# Altium PCB NxtPX4.PcbDoc (part 5 of 6)
Units mm, origin at the board's own origin, x right, y up, seen from the top; angles counter-clockwise.
Board outline 33 x 27 mm, 4 copper layers (F.Cu, In1.Cu, In2.Cu, B.Cu); 137 components, 132 nets, 629 pads, 296 vias.
Unrouted connection lines stored in the file: 3.
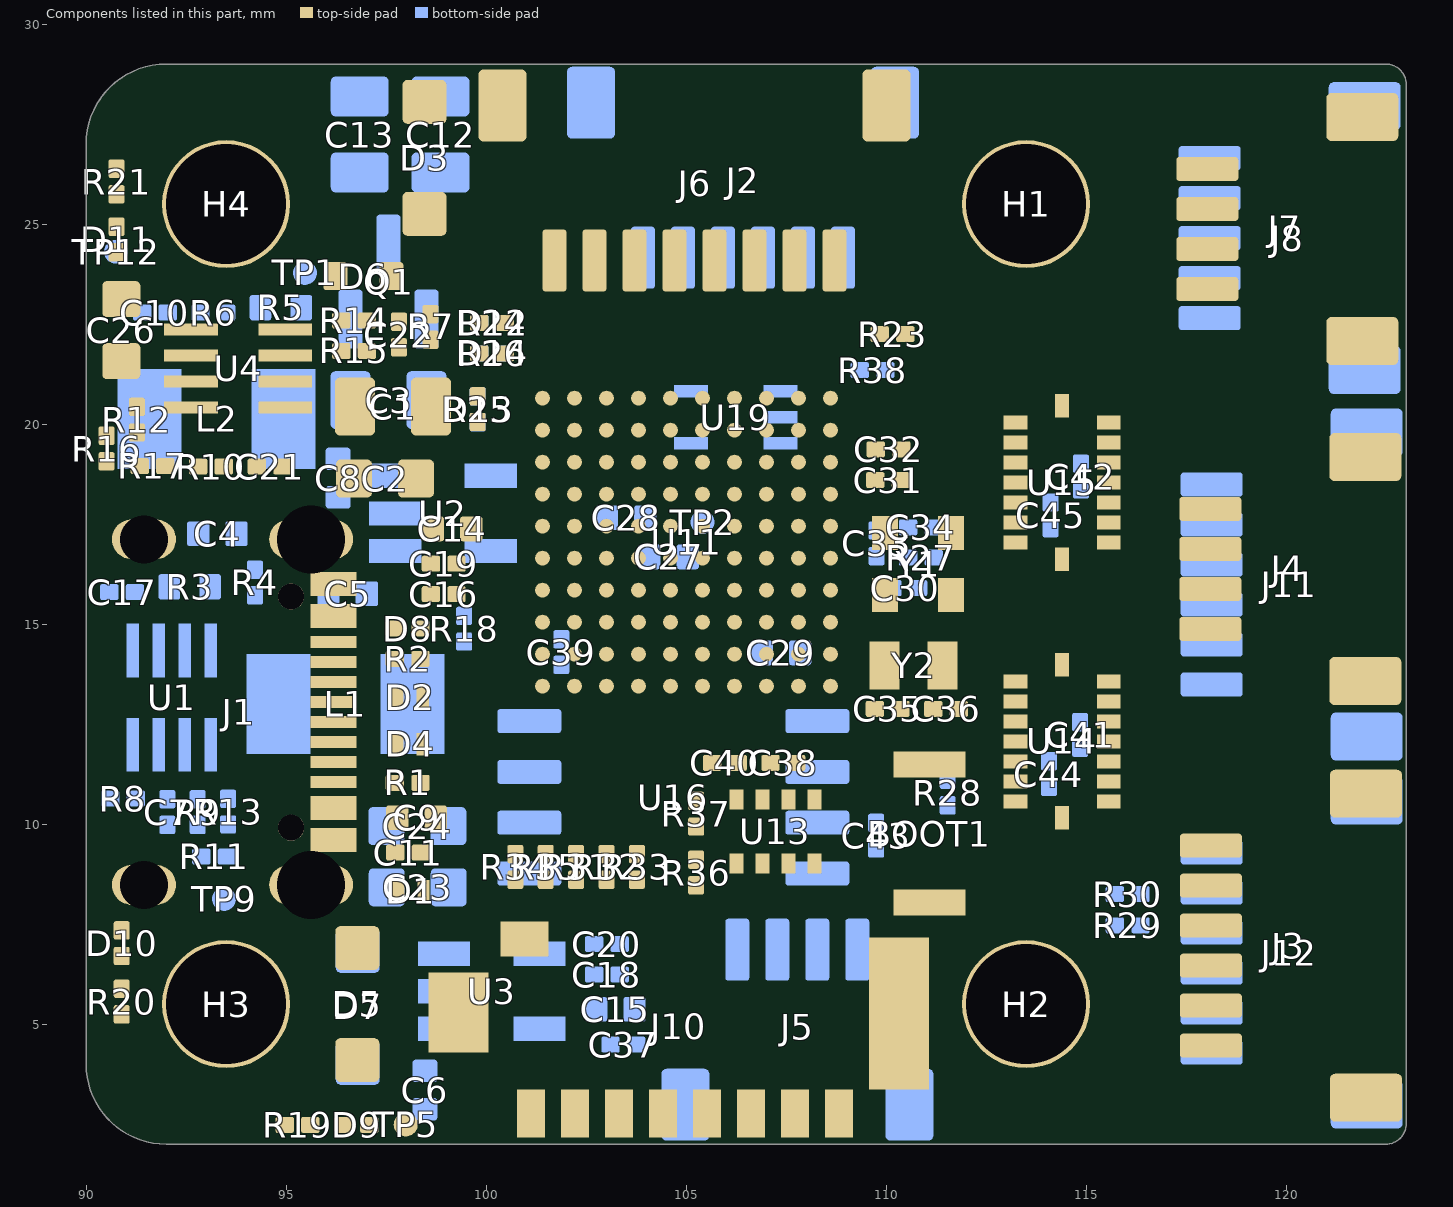
[diagram p7: the components of this part, seen from the top]

## Polygon pours and split planes (outlines as drawn) (continued)
BMI088_0_GDR on F.Cu "F.Cu-/BMI088_0_GDR-1" (solid, remove dead copper, pour order 30571): 107.958,19.278 107.915,19.247 107.876,19.24 107.838,19.243 107.794,19.245 107.739,19.231 107.809,19.059 107.981,18.989 107.995,19.044 107.993,19.088 107.99,19.126 107.997,19.165 108.028,19.208
Core_3V3 on F.Cu "F.Cu-Core_3V3-13" (solid, remove dead copper, pour order 30437): 104.05,9.45 104.022,9.45 103.994,9.454 103.965,9.46 103.937,9.47 103.909,9.482 103.769,9.26 103.958,9.085 103.976,9.104 103.995,9.12 104.013,9.133 104.032,9.143 104.05,9.15
USB_OTG_FS_DP on F.Cu "F.Cu-/USB_OTG_FS_DP-4" (solid, remove dead copper, pour order 30351): 96.825,12.16 96.813,12.165 96.801,12.173 96.789,12.183 96.777,12.195 96.765,12.21 96.189,12.06 96.765,11.91 96.777,11.925 96.789,11.937 96.801,11.947 96.813,11.955 96.825,11.96
VBUS on F.Cu "F.Cu-/VBUS-2" (solid, remove dead copper, pour order 30335): 97.425,10.19 97.44,10.162 97.455,10.132 97.47,10.1 97.485,10.067 97.5,10.032 97.781,10.17 97.836,10.48 97.753,10.518 97.671,10.559 97.589,10.601 97.507,10.644 97.425,10.69
System_5V on F.Cu "F.Cu-System_5V-4" (solid, remove dead copper, pour order 30401): 120.443,16.06 120.383,16.062 120.34,16.065 120.303,16.07 120.26,16.073 120.2,16.075 120.199,15.9 120.2,15.725 120.261,15.729 120.303,15.737 120.34,15.748 120.382,15.756 120.443,15.76
Net-(U4-FB) on F.Cu "F.Cu-Net-(U4-FB)" (solid, remove dead copper, pour order 30345): 91.403,20.785 91.366,20.756 91.329,20.73 91.292,20.707 91.254,20.687 91.217,20.67 91.269,20.439 91.47,20.357 91.499,20.406 91.528,20.453 91.557,20.496 91.586,20.536 91.615,20.573
EX_SPI3_SCK on F.Cu "F.Cu-/EX_SPI3_SCK" (solid, remove dead copper, pour order 30557): 103.86,13.201 103.868,13.254 103.89,13.286 103.92,13.311 103.952,13.341 103.981,13.389 103.81,13.461 103.639,13.389 103.668,13.341 103.7,13.311 103.73,13.286 103.752,13.254 103.76,13.201
TIM1_CH1 on F.Cu "F.Cu-/TIM1_CH1" (solid, remove dead copper, pour order 30543): 105.36,20.919 105.352,20.866 105.33,20.834 105.3,20.809 105.268,20.779 105.239,20.731 105.41,20.659 105.581,20.731 105.552,20.779 105.52,20.809 105.49,20.834 105.468,20.866 105.46,20.919
BMI088_1_MISO on F.Cu "F.Cu-/BMI088_1_MISO-2" (solid, remove dead copper, pour order 30642): 112.805,13.62 112.771,13.624 112.748,13.635 112.731,13.651 112.71,13.668 112.678,13.685 112.629,13.57 112.678,13.455 112.71,13.472 112.731,13.489 112.748,13.505 112.771,13.516 112.805,13.52
SDMMC1_CK on F.Cu "F.Cu-/SDMMC1_CK" (solid, remove dead copper, pour order 30604): 103.233,14.918 103.201,14.96 103.193,14.997 103.195,15.035 103.195,15.077 103.181,15.131 103.009,15.061 103.01,14.875 103.05,14.877 103.081,14.881 103.107,14.881 103.132,14.871 103.162,14.847
BMI088_1_MOSI on F.Cu "F.Cu-/BMI088_1_MOSI-1" (solid, remove dead copper, pour order 30602): 113.285,10.335 113.31,10.358 113.335,10.376 113.36,10.39 113.385,10.4 113.41,10.405 113.235,10.581 113.06,10.405 113.085,10.4 113.11,10.39 113.135,10.376 113.16,10.358 113.185,10.335
SDMMC1_CMD on F.Cu "F.Cu-/SDMMC1_CMD-2" (solid, remove dead copper, pour order 30644): 103.95,11.545 103.954,11.579 103.965,11.602 103.981,11.619 103.998,11.64 104.015,11.672 103.9,11.721 103.785,11.672 103.802,11.64 103.819,11.619 103.835,11.602 103.846,11.579 103.85,11.545
NRST on F.Cu "F.Cu-/NRST" (solid, remove dead copper, pour order 30559): 108.869,16.71 108.816,16.718 108.784,16.74 108.759,16.77 108.729,16.802 108.681,16.831 108.609,16.66 108.681,16.489 108.729,16.518 108.759,16.55 108.784,16.58 108.816,16.602 108.869,16.61
SDMMC1_D0 on F.Cu "F.Cu-/SDMMC1_D0-2" (solid, remove dead copper, pour order 30670): 99.922,13.711 99.949,13.732 99.972,13.74 99.996,13.742 100.023,13.744 100.058,13.755 100.011,13.871 99.895,13.918 99.884,13.883 99.882,13.856 99.88,13.832 99.872,13.809 99.851,13.782
SWDIO on F.Cu "F.Cu-/SWDIO-2" (solid, remove dead copper, pour order 30640): 118.19,13.325 118.194,13.359 118.205,13.382 118.221,13.399 118.238,13.42 118.255,13.452 118.14,13.501 118.025,13.452 118.042,13.42 118.059,13.399 118.075,13.382 118.086,13.359 118.09,13.325
BMI088_0_MISO on F.Cu "F.Cu-/BMI088_0_MISO-1" (solid, remove dead copper, pour order 30646): 112.51,18.035 112.514,18.069 112.525,18.092 112.541,18.109 112.558,18.13 112.575,18.162 112.46,18.211 112.345,18.162 112.362,18.13 112.379,18.109 112.395,18.092 112.406,18.069 112.41,18.035
System_5V on F.Cu "F.Cu-System_5V-3" (solid, remove dead copper, pour order 30397): 119.957,15.76 120.018,15.756 120.06,15.748 120.097,15.737 120.139,15.729 120.2,15.725 120.201,15.9 120.2,16.075 120.14,16.073 120.097,16.07 120.06,16.065 120.017,16.062 119.957,16.06
SCLK on F.Cu "F.Cu-/SCLK-1" (solid, remove dead copper, pour order 30617): 102.316,12.045 102.311,12.011 102.3,11.988 102.285,11.971 102.267,11.95 102.25,11.918 102.366,11.869 102.481,11.918 102.464,11.95 102.446,11.971 102.431,11.988 102.42,12.011 102.416,12.045
Net-(U11A-PC15-OSC32_OUT) on F.Cu "F.Cu-Net-(U11A-PC15-OSC32_OUT)-1" (solid, remove dead copper, pour order 30273): 111.88,13.257 111.862,13.382 111.844,13.528 111.826,13.693 111.808,13.877 111.79,14.081 111.415,13.981 111.327,13.38 111.418,13.383 111.508,13.373 111.599,13.348 111.689,13.309 111.78,13.257
ADC1_INP4_BATT_V on F.Cu "F.Cu-/ADC1_INP4_BATT_V-3" (solid, remove dead copper, pour order 30523): 97.33,22.65 97.308,22.664 97.286,22.684 97.264,22.708 97.243,22.737 97.221,22.771 97.019,22.6 97.221,22.429 97.243,22.463 97.264,22.492 97.286,22.516 97.308,22.536 97.33,22.55
SWDIO on F.Cu "F.Cu-/SWDIO-1" (solid, remove dead copper, pour order 30565): 101.46,13.201 101.468,13.254 101.49,13.286 101.52,13.311 101.552,13.341 101.581,13.389 101.41,13.461 101.239,13.389 101.268,13.341 101.3,13.311 101.33,13.286 101.352,13.254 101.36,13.201
Core_3V3 on F.Cu "F.Cu-Core_3V3-12" (solid, remove dead copper, pour order 30429): 115.2,12.43 115.214,12.428 115.228,12.425 115.242,12.42 115.256,12.413 115.27,12.405 115.566,12.58 115.27,12.755 115.256,12.747 115.242,12.741 115.228,12.735 115.214,12.732 115.2,12.73
VBUS on F.Cu "F.Cu-/VBUS-1" (solid, remove dead copper, pour order 30270): 97.236,7.719 97.099,7.631 96.962,7.561 96.826,7.51 96.689,7.476 96.552,7.46 96.779,6.909 97.33,6.682 97.382,6.855 97.434,7.01 97.485,7.146 97.537,7.265 97.589,7.366
USART3_RX on F.Cu "F.Cu-/USART3_RX" (solid, remove dead copper, pour order 30662): 102.882,21.491 102.909,21.512 102.932,21.52 102.956,21.522 102.983,21.524 103.018,21.535 102.971,21.651 102.855,21.698 102.844,21.663 102.842,21.636 102.84,21.612 102.832,21.589 102.811,21.562
SDMMC1_CMD on F.Cu "F.Cu-/SDMMC1_CMD-1" (solid, remove dead copper, pour order 30594): 104.028,14.112 103.997,14.155 103.99,14.194 103.993,14.232 103.995,14.276 103.981,14.331 103.809,14.261 103.739,14.089 103.794,14.075 103.838,14.077 103.876,14.08 103.915,14.073 103.958,14.042
Core_3V3 on F.Cu "F.Cu-Core_3V3-11" (solid, remove dead copper, pour order 30608): 107.616,14.313 107.645,14.28 107.662,14.254 107.675,14.23 107.693,14.204 107.722,14.172 107.811,14.259 107.898,14.348 107.866,14.377 107.84,14.395 107.816,14.408 107.79,14.425 107.757,14.454
Core_3V3 on F.Cu "F.Cu-Core_3V3-10" (solid, remove dead copper, pour order 30371): 107.601,11.219 107.649,11.255 107.697,11.286 107.745,11.31 107.793,11.328 107.84,11.34 107.751,11.541 107.52,11.581 107.508,11.525 107.496,11.475 107.484,11.431 107.471,11.393 107.459,11.361
Net-(U11B-PH0-OSC_IN) on F.Cu "F.Cu-Net-(U11B-PH0-OSC_IN)" (solid, remove dead copper, pour order 30588): 108.758,15.278 108.715,15.247 108.676,15.24 108.638,15.243 108.594,15.245 108.539,15.231 108.609,15.059 108.781,14.989 108.795,15.044 108.793,15.088 108.79,15.126 108.797,15.165 108.828,15.208
VBUS on F.Cu "F.Cu-/VBUS" (solid, remove dead copper, pour order 30337): 98.03,9.748 98.036,9.802 98.042,9.854 98.048,9.905 98.054,9.953 98.06,10 97.78,10.171 97.5,10 97.506,9.953 97.512,9.905 97.518,9.854 97.524,9.802 97.53,9.748
Net-(U1-EN{slash}SYNC) on F.Cu "F.Cu-Net-(U1-EN{slash}SYNC)-1" (solid, remove dead copper, pour order 30379): 91.569,10.968 91.63,10.965 91.673,10.959 91.71,10.952 91.753,10.945 91.814,10.943 91.815,11.118 91.814,11.293 91.753,11.29 91.71,11.284 91.673,11.277 91.63,11.27 91.569,11.268
BMI088_1_MISO on F.Cu "F.Cu-/BMI088_1_MISO-1" (solid, remove dead copper, pour order 30673): 112.814,11.142 112.793,11.169 112.785,11.192 112.783,11.216 112.781,11.243 112.77,11.278 112.654,11.231 112.607,11.115 112.642,11.104 112.669,11.102 112.693,11.1 112.716,11.092 112.743,11.071
UART5_TX on F.Cu "F.Cu-/UART5_TX" (solid, remove dead copper, pour order 30647): 103.395,21.425 103.399,21.459 103.41,21.482 103.426,21.499 103.443,21.52 103.46,21.552 103.345,21.601 103.23,21.552 103.247,21.52 103.264,21.499 103.28,21.482 103.291,21.459 103.295,21.425
Core_3V3 on F.Cu "F.Cu-Core_3V3-9" (solid, remove dead copper, pour order 30441): 109.88,19.1 109.891,19.127 109.902,19.151 109.912,19.172 109.923,19.19 109.934,19.205 109.74,19.381 109.534,19.217 109.543,19.2 109.552,19.179 109.562,19.156 109.571,19.129 109.58,19.1
USB_OTG_FS_DP on F.Cu "F.Cu-/USB_OTG_FS_DP-3" (solid, remove dead copper, pour order 30553): 101.192,14.408 101.223,14.365 101.23,14.326 101.227,14.288 101.225,14.244 101.239,14.189 101.411,14.259 101.481,14.431 101.426,14.445 101.382,14.443 101.344,14.44 101.305,14.447 101.262,14.478
TIM1_CH4 on F.Cu "F.Cu-/TIM1_CH4" (solid, remove dead copper, pour order 30318): 103.76,23.205 103.801,23.254 103.842,23.294 103.884,23.327 103.925,23.352 103.966,23.369 103.71,24.101 103.454,23.369 103.495,23.352 103.536,23.327 103.578,23.294 103.619,23.254 103.66,23.205
System_5V on F.Cu "F.Cu-System_5V-2" (solid, remove dead copper, pour order 30375): 120.835,15.76 120.896,15.757 120.939,15.751 120.976,15.744 121.019,15.738 121.08,15.735 121.081,15.91 121.08,16.085 121.019,16.082 120.976,16.076 120.939,16.069 120.896,16.063 120.835,16.06
USB_OTG_FS_DM on F.Cu "F.Cu-/USB_OTG_FS_DM-1" (solid, remove dead copper, pour order 30611): 97.569,13.05 97.581,13.045 97.594,13.039 97.606,13.03 97.618,13.018 97.63,13.005 97.784,13.18 97.63,13.312 97.618,13.295 97.606,13.28 97.594,13.267 97.581,13.257 97.569,13.25
ADC1_INP4_BATT_V on F.Cu "F.Cu-/ADC1_INP4_BATT_V-2" (solid, remove dead copper, pour order 30551): 105.992,18.408 106.023,18.365 106.03,18.326 106.027,18.288 106.025,18.244 106.039,18.189 106.211,18.259 106.281,18.431 106.226,18.445 106.182,18.443 106.144,18.44 106.105,18.447 106.062,18.478
BMI088_1_GCS on F.Cu "F.Cu-/BMI088_1_GCS" (solid, remove dead copper, pour order 30487): 115.93,11.63 115.916,11.646 115.902,11.667 115.888,11.692 115.874,11.721 115.86,11.755 115.564,11.58 115.86,11.405 115.874,11.439 115.888,11.468 115.902,11.493 115.916,11.514 115.93,11.53
Baro_I2C1_SCL on F.Cu "F.Cu-/Baro_I2C1_SCL" (solid, remove dead copper, pour order 30600): 106.01,8.98 106.024,8.964 106.038,8.943 106.052,8.918 106.066,8.889 106.08,8.855 106.256,9.03 106.08,9.205 106.066,9.171 106.052,9.142 106.038,9.117 106.024,9.096 106.01,9.08
LED_BLUE on F.Cu "F.Cu-/LED_BLUE-1" (solid, remove dead copper, pour order 30527): 99.84,19.753 99.864,19.784 99.888,19.811 99.912,19.833 99.937,19.85 99.961,19.862 99.79,20.064 99.619,19.862 99.643,19.85 99.668,19.833 99.692,19.811 99.716,19.784 99.74,19.753
System_5V on F.Cu "F.Cu-System_5V-1" (solid, remove dead copper, pour order 30282): 119,16.06 118.957,16.069 118.915,16.086 118.872,16.109 118.83,16.14 118.787,16.179 118.104,15.89 118.836,15.634 118.869,15.672 118.902,15.703 118.934,15.728 118.967,15.747 119,15.76
SDMMC1_D1 on F.Cu "F.Cu-/SDMMC1_D1-1" (solid, remove dead copper, pour order 30415): 101.215,8.824 101.23,8.784 101.245,8.736 101.26,8.679 101.275,8.612 101.29,8.537 101.491,8.619 101.543,8.85 101.491,8.843 101.44,8.844 101.389,8.853 101.337,8.87 101.286,8.895
BMI088_0_GCS on F.Cu "F.Cu-/BMI088_0_GCS-1" (solid, remove dead copper, pour order 30582): 107.958,20.878 107.915,20.847 107.876,20.84 107.838,20.843 107.794,20.845 107.739,20.831 107.809,20.659 107.981,20.589 107.995,20.644 107.993,20.688 107.99,20.726 107.997,20.765 108.028,20.808
Net-(R12-Pad2) on F.Cu "F.Cu-Net-(R12-Pad2)-1" (solid, remove dead copper, pour order 30403): 90.79,19.95 90.749,19.944 90.709,19.941 90.668,19.941 90.627,19.944 90.586,19.95 90.509,19.72 90.706,19.568 90.723,19.59 90.739,19.61 90.756,19.626 90.773,19.64 90.79,19.65
LED_BLUE on F.Cu "F.Cu-/LED_BLUE" (solid, remove dead copper, pour order 30545): 101.151,18.21 101.204,18.202 101.236,18.18 101.261,18.15 101.291,18.118 101.339,18.089 101.411,18.26 101.339,18.431 101.291,18.402 101.261,18.37 101.236,18.34 101.204,18.318 101.151,18.31
SBUS on F.Cu "F.Cu-/SBUS-3" (solid, remove dead copper, pour order 30525): 110.79,22.31 110.768,22.324 110.746,22.344 110.724,22.368 110.703,22.397 110.681,22.431 110.479,22.26 110.681,22.089 110.703,22.123 110.724,22.152 110.746,22.176 110.768,22.196 110.79,22.21
SCLK on F.Cu "F.Cu-/SCLK" (solid, remove dead copper, pour order 30612): 102.416,13.262 102.413,13.312 102.408,13.346 102.402,13.376 102.397,13.411 102.395,13.46 102.21,13.461 102.21,13.275 102.241,13.279 102.27,13.286 102.294,13.29 102.31,13.284 102.316,13.262
TIM3_CH4 on F.Cu "F.Cu-/TIM3_CH4" (solid, remove dead copper, pour order 30606): 106.338,20.892 106.298,20.861 106.264,20.85 106.23,20.848 106.19,20.845 106.139,20.831 106.209,20.659 106.395,20.66 106.391,20.702 106.383,20.735 106.379,20.763 106.385,20.79 106.409,20.821
SBUS on F.Cu "F.Cu-/SBUS-2" (solid, remove dead copper, pour order 30511): 110.43,22.54 110.4,22.507 110.37,22.48 110.34,22.458 110.31,22.442 110.28,22.431 110.48,22.259 110.68,22.431 110.65,22.442 110.62,22.458 110.59,22.48 110.56,22.507 110.53,22.54
SDMMC1_CMD on F.Cu "F.Cu-/SDMMC1_CMD" (solid, remove dead copper, pour order 30668): 106.069,5.399 106.042,5.377 106.018,5.369 105.995,5.368 105.967,5.365 105.933,5.355 105.98,5.239 106.096,5.192 106.106,5.226 106.109,5.254 106.11,5.277 106.118,5.301 106.14,5.328
BMI088_1_MISO on F.Cu "F.Cu-/BMI088_1_MISO" (solid, remove dead copper, pour order 30495): 112.87,13.52 112.884,13.505 112.898,13.486 112.912,13.463 112.926,13.436 112.94,13.405 113.236,13.58 112.94,13.747 112.926,13.713 112.912,13.683 112.898,13.658 112.884,13.637 112.87,13.62
Net-(D9-K) on F.Cu "F.Cu-Net-(D9-K)" (solid, remove dead copper, pour order 30457): 96.13,2.39 96.158,2.382 96.187,2.368 96.215,2.35 96.243,2.326 96.272,2.298 96.441,2.49 96.272,2.682 96.243,2.654 96.215,2.63 96.187,2.612 96.158,2.598 96.13,2.59
USB_OTG_FS_DP on F.Cu "F.Cu-/USB_OTG_FS_DP-2" (solid, remove dead copper, pour order 30471): 97.943,12.368 97.909,12.341 97.875,12.32 97.841,12.304 97.807,12.294 97.774,12.289 97.782,12.009 97.935,11.968 97.951,12.046 97.966,12.118 97.982,12.184 97.998,12.244 98.013,12.297
Core_3V3 on F.Cu "F.Cu-Core_3V3-8" (solid, remove dead copper, pour order 30447): 109.58,18.89 109.57,18.862 109.56,18.837 109.55,18.816 109.54,18.797 109.53,18.781 109.73,18.609 109.93,18.781 109.92,18.797 109.91,18.816 109.9,18.837 109.89,18.862 109.88,18.89
UART4_TX on F.Cu "F.Cu-/UART4_TX" (solid, remove dead copper, pour order 30563): 106.26,13.201 106.268,13.254 106.29,13.286 106.32,13.311 106.352,13.341 106.381,13.389 106.21,13.461 106.039,13.389 106.068,13.341 106.1,13.311 106.13,13.286 106.152,13.254 106.16,13.201
Baro_I2C1_SDA on F.Cu "F.Cu-/Baro_I2C1_SDA-1" (solid, remove dead copper, pour order 30569): 105.46,13.201 105.468,13.254 105.49,13.286 105.52,13.311 105.552,13.341 105.581,13.389 105.41,13.461 105.239,13.389 105.268,13.341 105.3,13.311 105.33,13.286 105.352,13.254 105.36,13.201
USART2_TX on F.Cu "F.Cu-/USART2_TX" (solid, remove dead copper, pour order 30680): 117,11.355 116.997,11.33 116.988,11.314 116.975,11.303 116.957,11.291 116.937,11.273 117.025,11.184 117.14,11.233 117.127,11.262 117.116,11.283 117.107,11.301 117.102,11.323 117.1,11.355
SDMMC1_D2 on F.Cu "F.Cu-/SDMMC1_D2-2" (solid, remove dead copper, pour order 30590): 102.062,14.042 102.105,14.073 102.144,14.08 102.182,14.077 102.226,14.075 102.281,14.089 102.211,14.261 102.039,14.331 102.025,14.276 102.027,14.232 102.03,14.194 102.023,14.155 101.992,14.112
BMI088_0_ADR on F.Cu "F.Cu-/BMI088_0_ADR-1" (solid, remove dead copper, pour order 30497): 114.36,20.83 114.335,20.807 114.309,20.789 114.284,20.775 114.258,20.765 114.233,20.76 114.4,20.464 114.575,20.76 114.552,20.766 114.529,20.776 114.506,20.79 114.483,20.808 114.46,20.83
TIM3_CH3 on F.Cu "F.Cu-/TIM3_CH3" (solid, remove dead copper, pour order 30669): 116.522,24.301 116.549,24.322 116.572,24.33 116.596,24.332 116.623,24.334 116.658,24.345 116.611,24.461 116.495,24.508 116.484,24.473 116.482,24.446 116.48,24.422 116.472,24.399 116.451,24.372
Net-(J1-CC2) on F.Cu "F.Cu-Net-(J1-CC2)" (solid, remove dead copper, pour order 30467): 97.41,10.96 97.432,10.95 97.454,10.936 97.476,10.918 97.497,10.896 97.519,10.869 97.721,11.04 97.552,11.232 97.523,11.208 97.495,11.189 97.467,11.175 97.438,11.165 97.41,11.16
BMI088_1_MOSI on F.Cu "F.Cu-/BMI088_1_MOSI" (solid, remove dead copper, pour order 30643): 113.015,10.05 112.981,10.054 112.958,10.065 112.941,10.081 112.92,10.098 112.888,10.115 112.839,10 112.888,9.885 112.92,9.902 112.941,9.919 112.958,9.935 112.981,9.946 113.015,9.95
USART2_RX on F.Cu "F.Cu-/USART2_RX" (solid, remove dead copper, pour order 30677): 116.8,11.715 116.796,11.702 116.785,11.7 116.77,11.705 116.751,11.712 116.73,11.715 116.73,11.589 116.845,11.542 116.864,11.584 116.88,11.613 116.891,11.639 116.898,11.67 116.9,11.715
Core_3V3 on F.Cu "F.Cu-Core_3V3-7" (solid, remove dead copper, pour order 30369): 97.869,15.221 97.821,15.185 97.773,15.154 97.725,15.13 97.677,15.112 97.63,15.1 97.719,14.899 97.95,14.859 97.962,14.915 97.974,14.965 97.986,15.009 97.999,15.047 98.011,15.079
Core_3V3 on F.Cu "F.Cu-Core_3V3-6" (solid, remove dead copper, pour order 30331): 111.525,16.29 111.48,16.248 111.435,16.215 111.39,16.189 111.345,16.17 111.3,16.16 111.625,15.734 111.95,16.16 111.905,16.17 111.86,16.189 111.815,16.215 111.77,16.248 111.725,16.29
BMI088_1_ADR on F.Cu "F.Cu-/BMI088_1_ADR" (solid, remove dead copper, pour order 30489): 114.35,14.36 114.325,14.337 114.3,14.319 114.275,14.305 114.25,14.295 114.225,14.29 114.4,13.994 114.575,14.29 114.55,14.295 114.525,14.305 114.5,14.319 114.475,14.337 114.45,14.36
BMI088_0_MOSI on F.Cu "F.Cu-/BMI088_0_MOSI" (solid, remove dead copper, pour order 30573): 107.158,20.878 107.115,20.847 107.076,20.84 107.038,20.843 106.994,20.845 106.939,20.831 107.009,20.659 107.181,20.589 107.195,20.644 107.193,20.688 107.19,20.726 107.197,20.765 107.228,20.808
ADC1_INP4_BATT_V on F.Cu "F.Cu-/ADC1_INP4_BATT_V-1" (solid, remove dead copper, pour order 30529): 97.54,22.55 97.558,22.531 97.575,22.506 97.593,22.477 97.61,22.442 97.628,22.402 97.821,22.57 97.649,22.771 97.627,22.737 97.606,22.708 97.584,22.684 97.562,22.664 97.54,22.65
SDMMC1_D0 on F.Cu "F.Cu-/SDMMC1_D0-1" (solid, remove dead copper, pour order 30417): 100.455,8.824 100.47,8.784 100.485,8.736 100.5,8.679 100.515,8.612 100.53,8.537 100.731,8.619 100.783,8.85 100.731,8.843 100.68,8.844 100.629,8.853 100.577,8.87 100.526,8.895
Net-(U4-SW) on F.Cu "F.Cu-Net-(U4-SW)" (solid, remove dead copper, pour order 30389): 95.085,19.595 95.088,19.656 95.094,19.699 95.101,19.736 95.107,19.779 95.11,19.84 94.935,19.841 94.76,19.84 94.763,19.779 94.769,19.736 94.776,19.699 94.782,19.656 94.785,19.595
Core_3V3 on F.Cu "F.Cu-Core_3V3-5" (solid, remove dead copper, pour order 30365): 108.06,11.371 108.044,11.404 108.028,11.442 108.012,11.486 107.996,11.537 107.98,11.593 107.749,11.541 107.667,11.34 107.717,11.33 107.768,11.314 107.818,11.292 107.868,11.264 107.919,11.23
BMI088_0_ADR on F.Cu "F.Cu-/BMI088_0_ADR" (solid, remove dead copper, pour order 30599): 108.028,18.112 107.997,18.155 107.99,18.194 107.993,18.232 107.995,18.276 107.981,18.331 107.809,18.261 107.739,18.089 107.794,18.075 107.838,18.077 107.876,18.08 107.915,18.073 107.958,18.042
SDMMC1_D0 on F.Cu "F.Cu-/SDMMC1_D0" (solid, remove dead copper, pour order 30575): 102.062,17.242 102.105,17.273 102.144,17.28 102.182,17.277 102.226,17.275 102.281,17.289 102.211,17.461 102.039,17.531 102.025,17.476 102.027,17.432 102.03,17.394 102.023,17.355 101.992,17.312
BMI088_0_MISO on F.Cu "F.Cu-/BMI088_0_MISO" (solid, remove dead copper, pour order 30493): 112.87,19.99 112.884,19.975 112.898,19.956 112.912,19.933 112.926,19.906 112.94,19.875 113.236,20.05 112.94,20.217 112.926,20.183 112.912,20.153 112.898,20.128 112.884,20.107 112.87,20.09
AUX3_PA4 on F.Cu "F.Cu-/AUX3_PA4" (solid, remove dead copper, pour order 30603): 107.223,18.108 107.199,18.138 107.189,18.163 107.189,18.189 107.193,18.22 107.195,18.26 107.009,18.261 106.939,18.089 106.993,18.075 107.035,18.075 107.073,18.077 107.11,18.069 107.152,18.037
SWDIO on F.Cu "F.Cu-/SWDIO" (solid, remove dead copper, pour order 30620): 100.75,12.175 100.746,12.141 100.735,12.118 100.719,12.101 100.702,12.08 100.685,12.048 100.8,11.999 100.915,12.048 100.898,12.08 100.881,12.101 100.865,12.118 100.854,12.141 100.85,12.175
EX_SPI3_MISO on F.Cu "F.Cu-/EX_SPI3_MISO" (solid, remove dead copper, pour order 30632): 104.56,12.745 104.556,12.711 104.545,12.688 104.529,12.671 104.512,12.65 104.495,12.618 104.61,12.569 104.725,12.618 104.708,12.65 104.691,12.671 104.675,12.688 104.664,12.711 104.66,12.745
Periph_3V3 on F.Cu "F.Cu-Periph_3V3-1" (solid, remove dead copper, pour order 30535): 99.298,10.755 99.301,10.801 99.309,10.833 99.322,10.86 99.339,10.89 99.36,10.933 99.198,11.001 99.036,10.933 99.057,10.89 99.074,10.86 99.087,10.833 99.095,10.801 99.098,10.755
BMI088_0_GDR on F.Cu "F.Cu-/BMI088_0_GDR" (solid, remove dead copper, pour order 30479): 112.87,18.5 112.884,18.484 112.898,18.463 112.912,18.438 112.926,18.409 112.94,18.375 113.236,18.55 112.94,18.725 112.926,18.691 112.912,18.662 112.898,18.637 112.884,18.616 112.87,18.6
ADC1_INP4_BATT_V on F.Cu "F.Cu-/ADC1_INP4_BATT_V" (solid, remove dead copper, pour order 30537): 96.481,22.132 96.437,22.099 96.393,22.074 96.348,22.055 96.304,22.044 96.26,22.04 96.379,21.839 96.602,21.978 96.592,21.989 96.582,22.003 96.572,22.019 96.562,22.039 96.552,22.061
FRAM_SPI2_{\C\S\}\ on F.Cu "F.Cu-/FRAM_SPI2_~{CS}-1" (solid, remove dead copper, pour order 30627): 104.17,14.885 104.166,14.851 104.155,14.828 104.139,14.811 104.122,14.79 104.105,14.758 104.22,14.709 104.335,14.758 104.318,14.79 104.301,14.811 104.285,14.828 104.274,14.851 104.27,14.885
Baro_I2C1_DR on F.Cu "F.Cu-/Baro_I2C1_DR-1" (solid, remove dead copper, pour order 30597): 105.628,14.912 105.597,14.955 105.59,14.994 105.593,15.032 105.595,15.076 105.581,15.131 105.409,15.061 105.339,14.889 105.394,14.875 105.438,14.877 105.476,14.88 105.515,14.873 105.558,14.842
Core_3V3 on F.Cu "F.Cu-Core_3V3-4" (solid, remove dead copper, pour order 30439): 113.6,11.72 113.586,11.722 113.572,11.726 113.558,11.732 113.544,11.739 113.53,11.747 113.234,11.58 113.53,11.405 113.544,11.411 113.558,11.415 113.572,11.419 113.586,11.42 113.6,11.42
Net-(U1-EN{slash}SYNC) on F.Cu "F.Cu-Net-(U1-EN{slash}SYNC)" (solid, remove dead copper, pour order 30383): 91.555,15.79 91.616,15.787 91.659,15.781 91.696,15.774 91.739,15.768 91.8,15.765 91.801,15.94 91.8,16.115 91.739,16.112 91.696,16.106 91.659,16.099 91.616,16.093 91.555,16.09
BMI088_0_ACS on F.Cu "F.Cu-/BMI088_0_ACS" (solid, remove dead copper, pour order 30483): 112.87,19.5 112.884,19.484 112.898,19.463 112.912,19.438 112.926,19.409 112.94,19.375 113.236,19.55 112.94,19.725 112.926,19.691 112.912,19.662 112.898,19.637 112.884,19.616 112.87,19.6
USB_OTG_FS_DM on F.Cu "F.Cu-/USB_OTG_FS_DM" (solid, remove dead copper, pour order 30347): 96.825,12.66 96.813,12.665 96.801,12.673 96.789,12.683 96.777,12.695 96.765,12.71 96.189,12.56 96.765,12.41 96.777,12.425 96.789,12.437 96.801,12.447 96.813,12.455 96.825,12.46
Baro_I2C1_DR on F.Cu "F.Cu-/Baro_I2C1_DR" (solid, remove dead copper, pour order 30601): 106.01,10.58 106.024,10.564 106.038,10.543 106.052,10.518 106.066,10.489 106.08,10.455 106.256,10.63 106.08,10.805 106.066,10.771 106.052,10.742 106.038,10.717 106.024,10.696 106.01,10.68
Core_3V3 on F.Cu "F.Cu-Core_3V3-3" (solid, remove dead copper, pour order 30363): 106.6,11.371 106.584,11.404 106.568,11.442 106.552,11.486 106.536,11.537 106.52,11.593 106.289,11.541 106.207,11.34 106.257,11.33 106.308,11.314 106.358,11.292 106.408,11.264 106.459,11.23
SBUS on F.Cu "F.Cu-/SBUS-1" (solid, remove dead copper, pour order 30629): 110.43,22.425 110.426,22.391 110.415,22.368 110.399,22.351 110.382,22.33 110.365,22.298 110.48,22.249 110.595,22.298 110.578,22.33 110.561,22.351 110.545,22.368 110.534,22.391 110.53,22.425
FRAM_SPI2_{\C\S\}\ on F.Cu "F.Cu-/FRAM_SPI2_~{CS}" (solid, remove dead copper, pour order 30567): 103.86,15.601 103.868,15.654 103.89,15.686 103.92,15.711 103.952,15.741 103.981,15.789 103.81,15.861 103.639,15.789 103.668,15.741 103.7,15.711 103.73,15.686 103.752,15.654 103.76,15.601
Net-(C21-Pad1) on F.Cu "F.Cu-Net-(C21-Pad1)-1" (solid, remove dead copper, pour order 30393): 93.96,18.8 93.988,18.798 94.017,18.792 94.045,18.784 94.073,18.772 94.102,18.758 94.271,18.95 94.102,19.142 94.073,19.128 94.045,19.116 94.017,19.108 93.988,19.102 93.96,19.1
UART7_RX on F.Cu "F.Cu-/UART7_RX-1" (solid, remove dead copper, pour order 30583): 105.558,19.278 105.515,19.247 105.476,19.24 105.438,19.243 105.394,19.245 105.339,19.231 105.409,19.059 105.581,18.989 105.595,19.044 105.593,19.088 105.59,19.126 105.597,19.165 105.628,19.208
System_5V on F.Cu "F.Cu-System_5V" (solid, remove dead copper, pour order 30285): 118.925,24.53 118.892,24.541 118.859,24.558 118.827,24.582 118.794,24.611 118.761,24.646 118.029,24.39 118.712,24.101 118.755,24.142 118.797,24.175 118.84,24.201 118.882,24.219 118.925,24.23
USB_OTG_FS_DP on F.Cu "F.Cu-/USB_OTG_FS_DP-1" (solid, remove dead copper, pour order 30353): 95.555,12.96 95.567,12.955 95.579,12.947 95.591,12.937 95.603,12.925 95.615,12.91 96.191,13.06 95.615,13.21 95.603,13.195 95.591,13.183 95.579,13.173 95.567,13.165 95.555,13.16
Core_3V3 on F.Cu "F.Cu-Core_3V3-2" (solid, remove dead copper, pour order 30507): 107.698,15.606 107.735,15.638 107.766,15.655 107.797,15.664 107.833,15.673 107.881,15.689 107.811,15.861 107.639,15.931 107.623,15.883 107.614,15.847 107.605,15.816 107.588,15.785 107.556,15.748
SDMMC1_D3 on F.Cu "F.Cu-/SDMMC1_D3-3" (solid, remove dead copper, pour order 30666): 105.006,4.697 105.033,4.718 105.057,4.726 105.08,4.728 105.108,4.73 105.142,4.74 105.095,4.856 104.979,4.904 104.969,4.869 104.966,4.842 104.965,4.818 104.957,4.795 104.935,4.767
Core_3V3 on F.Cu "F.Cu-Core_3V3-1" (solid, remove dead copper, pour order 30427): 115.2,18.9 115.214,18.898 115.228,18.895 115.242,18.889 115.256,18.883 115.27,18.875 115.566,19.05 115.27,19.225 115.256,19.217 115.242,19.211 115.228,19.205 115.214,19.202 115.2,19.2
BMI088_1_GDR on F.Cu "F.Cu-/BMI088_1_GDR" (solid, remove dead copper, pour order 30481): 112.87,12.03 112.884,12.014 112.898,11.993 112.912,11.968 112.926,11.939 112.94,11.905 113.236,12.08 112.94,12.255 112.926,12.221 112.912,12.192 112.898,12.167 112.884,12.146 112.87,12.13
Net-(D11-K) on F.Cu "F.Cu-Net-(D11-K)-1" (solid, remove dead copper, pour order 30445): 90.86,25.445 90.878,25.483 90.897,25.517 90.915,25.545 90.934,25.569 90.952,25.587 90.76,25.756 90.568,25.587 90.586,25.569 90.605,25.545 90.623,25.517 90.642,25.483 90.66,25.445
Net-(U11A-PC15-OSC32_OUT) on F.Cu "F.Cu-Net-(U11A-PC15-OSC32_OUT)" (solid, remove dead copper, pour order 30279): 111.376,14.693 111.309,14.649 111.242,14.616 111.174,14.593 111.107,14.581 111.04,14.58 111.416,13.979 111.787,14.58 111.719,14.594 111.651,14.619 111.583,14.656 111.515,14.704 111.447,14.764
Periph_3V3 on F.Cu "F.Cu-Periph_3V3" (solid, remove dead copper, pour order 30533): 101.267,4.746 101.302,4.777 101.331,4.793 101.359,4.803 101.392,4.812 101.437,4.828 101.371,4.991 101.208,5.057 101.192,5.012 101.183,4.979 101.173,4.951 101.157,4.922 101.126,4.887
UART4_RX on F.Cu "F.Cu-/UART4_RX" (solid, remove dead copper, pour order 30596): 106.428,14.112 106.397,14.155 106.39,14.194 106.393,14.232 106.395,14.276 106.381,14.331 106.209,14.261 106.139,14.089 106.194,14.075 106.238,14.077 106.276,14.08 106.315,14.073 106.358,14.042
Baro_I2C1_SDA on F.Cu "F.Cu-/Baro_I2C1_SDA" (solid, remove dead copper, pour order 30521): 106.855,9.35 106.83,9.327 106.805,9.309 106.78,9.295 106.755,9.285 106.73,9.28 106.905,9.029 107.08,9.28 107.055,9.285 107.03,9.295 107.005,9.309 106.98,9.327 106.955,9.35
SBUS on F.Cu "F.Cu-/SBUS" (solid, remove dead copper, pour order 30676): 110.653,22.31 110.62,22.313 110.598,22.322 110.58,22.335 110.559,22.35 110.528,22.365 110.479,22.25 110.528,22.135 110.56,22.153 110.58,22.173 110.597,22.191 110.618,22.205 110.653,22.21
BMI088_0_GCS on F.Cu "F.Cu-/BMI088_0_GCS" (solid, remove dead copper, pour order 30671): 116.099,21.312 116.078,21.339 116.07,21.362 116.068,21.386 116.066,21.413 116.055,21.448 115.939,21.401 115.892,21.285 115.927,21.274 115.954,21.272 115.978,21.27 116.001,21.262 116.028,21.241
LED_RED on F.Cu "F.Cu-/LED_RED" (solid, remove dead copper, pour order 30433): 100.745,22.336 100.736,22.372 100.727,22.415 100.718,22.467 100.709,22.526 100.7,22.593 100.469,22.541 100.387,22.34 100.445,22.343 100.502,22.337 100.559,22.322 100.617,22.298 100.674,22.265
SDMMC1_D2 on F.Cu "F.Cu-/SDMMC1_D2-1" (solid, remove dead copper, pour order 30405): 101.975,8.824 101.99,8.784 102.005,8.736 102.02,8.679 102.035,8.612 102.05,8.537 102.251,8.619 102.303,8.85 102.251,8.843 102.2,8.844 102.149,8.853 102.097,8.87 102.046,8.895
Net-(U11A-PC14-OSC32_IN) on F.Cu "F.Cu-Net-(U11A-PC14-OSC32_IN)" (solid, remove dead copper, pour order 30607): 108.863,13.48 108.824,13.486 108.801,13.502 108.785,13.527 108.768,13.557 108.741,13.591 108.609,13.46 108.681,13.289 108.726,13.314 108.756,13.338 108.782,13.359 108.814,13.374 108.863,13.38
USB_OTG_FS_DP on F.Cu "F.Cu-/USB_OTG_FS_DP" (solid, remove dead copper, pour order 30610): 97.569,11.96 97.581,11.951 97.594,11.94 97.606,11.926 97.618,11.909 97.63,11.889 97.784,12.01 97.63,12.202 97.618,12.189 97.606,12.179 97.594,12.17 97.581,12.164 97.569,12.16
Core_3V3 on F.Cu "F.Cu-Core_3V3" (solid, remove dead copper, pour order 30615): 99.238,15.582 99.267,15.612 99.289,15.633 99.307,15.651 99.328,15.672 99.358,15.702 99.271,15.791 99.155,15.838 99.143,15.807 99.136,15.785 99.129,15.766 99.117,15.747 99.096,15.723
Net-(C21-Pad1) on F.Cu "F.Cu-Net-(C21-Pad1)" (solid, remove dead copper, pour order 30395): 93.75,19.1 93.722,19.102 93.693,19.108 93.665,19.116 93.637,19.128 93.608,19.142 93.439,18.95 93.608,18.758 93.637,18.772 93.665,18.784 93.693,18.792 93.722,18.798 93.75,18.8
UART7_RX on F.Cu "F.Cu-/UART7_RX" (solid, remove dead copper, pour order 30325): 107.76,23.205 107.801,23.254 107.842,23.294 107.884,23.327 107.925,23.352 107.966,23.369 107.71,24.101 107.454,23.369 107.495,23.352 107.536,23.327 107.578,23.294 107.619,23.254 107.66,23.205
EX_I2C4_SCL on F.Cu "F.Cu-/EX_I2C4_SCL" (solid, remove dead copper, pour order 30624): 116.31,7.655 116.306,7.621 116.295,7.598 116.279,7.581 116.262,7.56 116.245,7.528 116.36,7.479 116.475,7.528 116.458,7.56 116.441,7.581 116.425,7.598 116.414,7.621 116.41,7.655
SDMMC1_D3 on F.Cu "F.Cu-/SDMMC1_D3-2" (solid, remove dead copper, pour order 30409): 102.735,8.824 102.75,8.784 102.765,8.736 102.78,8.679 102.795,8.612 102.81,8.537 103.011,8.619 103.063,8.85 103.011,8.843 102.96,8.844 102.909,8.853 102.857,8.87 102.806,8.895
TIM1_CH3 on F.Cu "F.Cu-/TIM1_CH3" (solid, remove dead copper, pour order 30321): 104.76,23.205 104.801,23.254 104.842,23.294 104.884,23.327 104.925,23.352 104.966,23.369 104.71,24.101 104.454,23.369 104.495,23.352 104.536,23.327 104.578,23.294 104.619,23.254 104.66,23.205
SDMMC1_D3 on F.Cu "F.Cu-/SDMMC1_D3-1" (solid, remove dead copper, pour order 30660): 105.808,5.639 105.781,5.618 105.758,5.61 105.734,5.608 105.707,5.606 105.672,5.595 105.719,5.479 105.835,5.432 105.846,5.467 105.848,5.494 105.85,5.518 105.858,5.541 105.879,5.568
TIM1_CH2 on F.Cu "F.Cu-/TIM1_CH2" (solid, remove dead copper, pour order 30589): 104.758,19.278 104.715,19.247 104.676,19.24 104.638,19.243 104.594,19.245 104.539,19.231 104.609,19.059 104.781,18.989 104.795,19.044 104.793,19.088 104.79,19.126 104.797,19.165 104.828,19.208
SDMMC1_D3 on F.Cu "F.Cu-/SDMMC1_D3" (solid, remove dead copper, pour order 30587): 102.862,14.042 102.905,14.073 102.944,14.08 102.982,14.077 103.026,14.075 103.081,14.089 103.011,14.261 102.839,14.331 102.825,14.276 102.827,14.232 102.83,14.194 102.823,14.155 102.792,14.112
Net-(D11-K) on F.Cu "F.Cu-Net-(D11-K)" (solid, remove dead copper, pour order 30443): 90.66,25.255 90.642,25.217 90.623,25.183 90.605,25.155 90.586,25.131 90.568,25.113 90.76,24.944 90.952,25.113 90.934,25.131 90.915,25.155 90.897,25.183 90.878,25.217 90.86,25.255
Net-(R12-Pad2) on F.Cu "F.Cu-Net-(R12-Pad2)" (solid, remove dead copper, pour order 30361): 91.49,19.49 91.486,19.551 91.482,19.614 91.478,19.681 91.474,19.751 91.47,19.823 91.27,19.801 91.112,19.591 91.128,19.576 91.143,19.559 91.159,19.539 91.174,19.516 91.19,19.49
SDMMC1_D2 on F.Cu "F.Cu-/SDMMC1_D2" (solid, remove dead copper, pour order 30423): 102.525,8.416 102.51,8.456 102.495,8.504 102.48,8.561 102.465,8.628 102.45,8.703 102.249,8.621 102.197,8.39 102.249,8.397 102.3,8.396 102.351,8.387 102.403,8.37 102.454,8.345
SDMMC1_D1 on F.Cu "F.Cu-/SDMMC1_D1" (solid, remove dead copper, pour order 30637): 100.595,16.06 100.561,16.064 100.538,16.075 100.521,16.091 100.5,16.108 100.468,16.125 100.419,16.01 100.468,15.895 100.5,15.912 100.521,15.929 100.538,15.945 100.561,15.956 100.595,15.96
LED_GREEN on F.Cu "F.Cu-/LED_GREEN" (solid, remove dead copper, pour order 30515): 100.52,21.5 100.55,21.533 100.58,21.56 100.61,21.582 100.64,21.598 100.67,21.609 100.47,21.781 100.27,21.609 100.3,21.598 100.33,21.582 100.36,21.56 100.39,21.533 100.42,21.5
GND on In1.Cu "In1.Cu-GND" (solid, remove dead copper, pour order 30683): 123.99,30.79 124.14,0.31 89.26,0.14 89.108,30.537
BMI088_1_ADR on B.Cu "B.Cu-/BMI088_1_ADR-1" (solid, remove dead copper, pour order 30432): 112.035,14.09 112.069,14.086 112.092,14.075 112.109,14.059 112.13,14.042 112.162,14.025 112.211,14.14 112.162,14.255 112.13,14.238 112.109,14.221 112.092,14.205 112.069,14.194 112.035,14.19
SBUS on B.Cu "B.Cu-/SBUS-3" (solid, remove dead copper, pour order 30422): 110.285,23.93 110.319,23.926 110.342,23.915 110.359,23.899 110.38,23.882 110.412,23.865 110.461,23.98 110.412,24.095 110.38,24.078 110.359,24.061 110.342,24.045 110.319,24.034 110.285,24.03
ADC2_INP8_BATT_I on B.Cu "B.Cu-/ADC2_INP8_BATT_I-1" (solid, remove dead copper, pour order 30558): 106.164,19.234 106.159,19.2 106.147,19.178 106.131,19.16 106.112,19.14 106.095,19.108 106.21,19.059 106.325,19.108 106.309,19.139 106.292,19.16 106.278,19.178 106.267,19.2 106.264,19.234
AUX1_PC0 on B.Cu "B.Cu-/AUX1_PC0-1" (solid, remove dead copper, pour order 30456): 108.66,17.285 108.664,17.319 108.675,17.342 108.691,17.359 108.708,17.38 108.725,17.412 108.61,17.461 108.495,17.412 108.512,17.38 108.529,17.359 108.545,17.342 108.556,17.319 108.56,17.285
USART3_TX on B.Cu "B.Cu-/USART3_TX-1" (solid, remove dead copper, pour order 30510): 102.988,22.199 102.961,22.178 102.938,22.17 102.914,22.168 102.887,22.166 102.852,22.155 102.899,22.039 103.015,21.992 103.026,22.027 103.028,22.054 103.03,22.078 103.038,22.101 103.059,22.128
ADC1_INP4_BATT_V on B.Cu "B.Cu-/ADC1_INP4_BATT_V-1" (solid, remove dead copper, pour order 30424): 104.855,18.66 104.889,18.656 104.912,18.645 104.929,18.629 104.95,18.612 104.982,18.595 105.031,18.71 104.982,18.825 104.95,18.808 104.929,18.791 104.912,18.775 104.889,18.764 104.855,18.76
SDMMC1_CMD on B.Cu "B.Cu-/SDMMC1_CMD-3" (solid, remove dead copper, pour order 30530): 105.892,5.08 105.919,5.102 105.943,5.11 105.966,5.111 105.994,5.114 106.028,5.124 105.981,5.24 105.865,5.287 105.855,5.253 105.852,5.225 105.851,5.202 105.843,5.178 105.821,5.151
UART5_RX on B.Cu "B.Cu-/UART5_RX-1" (solid, remove dead copper, pour order 30370): 104.635,19.48 104.647,19.467 104.66,19.45 104.672,19.429 104.684,19.405 104.696,19.378 105.12,19.53 104.696,19.682 104.684,19.655 104.672,19.631 104.66,19.61 104.647,19.593 104.635,19.58
SDMMC1_D0 on B.Cu "B.Cu-/SDMMC1_D0-1" (solid, remove dead copper, pour order 30554): 99.96,14.045 99.956,14.011 99.945,13.988 99.929,13.971 99.912,13.95 99.895,13.918 100.01,13.869 100.125,13.918 100.108,13.95 100.091,13.971 100.075,13.988 100.064,14.011 100.06,14.045
UART8_RX on B.Cu "B.Cu-/UART8_RX-1" (solid, remove dead copper, pour order 30414): 106.16,16.035 106.156,16.001 106.145,15.978 106.129,15.961 106.112,15.94 106.095,15.908 106.21,15.859 106.325,15.908 106.308,15.94 106.291,15.961 106.275,15.978 106.264,16.001 106.26,16.035
Periph_3V3 on B.Cu "B.Cu-Periph_3V3-7" (solid, remove dead copper, pour order 30378): 101.98,13.68 101.998,13.718 102.017,13.752 102.035,13.78 102.054,13.804 102.072,13.822 101.88,13.991 101.688,13.822 101.706,13.804 101.725,13.78 101.743,13.752 101.762,13.718 101.78,13.68
SWDIO on B.Cu "B.Cu-/SWDIO-1" (solid, remove dead copper, pour order 30452): 100.975,12.05 100.941,12.054 100.918,12.065 100.901,12.081 100.88,12.098 100.848,12.115 100.799,12 100.848,11.885 100.88,11.902 100.901,11.919 100.918,11.935 100.941,11.946 100.975,11.95
ADC2_INP8_BATT_I on B.Cu "B.Cu-/ADC2_INP8_BATT_I" (solid, remove dead copper, pour order 30468): 106.264,21.115 106.268,21.149 106.279,21.172 106.294,21.189 106.312,21.21 106.329,21.242 106.214,21.291 106.098,21.242 106.115,21.21 106.133,21.189 106.148,21.172 106.159,21.149 106.164,21.115
SDMMC1_CK on B.Cu "B.Cu-/SDMMC1_CK-1" (solid, remove dead copper, pour order 30566): 106.799,4.819 106.824,4.84 106.844,4.851 106.863,4.857 106.887,4.864 106.918,4.875 106.871,4.991 106.745,4.99 106.747,4.964 106.75,4.943 106.75,4.926 106.744,4.909 106.729,4.89
BMI088_1_MISO on B.Cu "B.Cu-/BMI088_1_MISO-3" (solid, remove dead copper, pour order 30568): 112.58,11.4 112.578,11.368 112.573,11.346 112.564,11.328 112.553,11.307 112.54,11.278 112.655,11.229 112.743,11.318 112.723,11.336 112.705,11.348 112.692,11.359 112.683,11.375 112.68,11.4
BMI088_0_ADR on B.Cu "B.Cu-/BMI088_0_ADR-1" (solid, remove dead copper, pour order 30420): 114.235,21.28 114.269,21.276 114.292,21.265 114.309,21.249 114.33,21.232 114.362,21.215 114.411,21.33 114.362,21.445 114.33,21.428 114.309,21.411 114.292,21.395 114.269,21.384 114.235,21.38
Net-(U1-SW) on B.Cu "B.Cu-Net-(U1-SW)-3" (solid, remove dead copper, pour order 30356): 91.665,14.784 91.663,14.723 91.658,14.68 91.652,14.644 91.647,14.601 91.645,14.54 91.82,14.539 91.995,14.54 91.992,14.601 91.984,14.644 91.976,14.68 91.968,14.723 91.965,14.784
NRST on B.Cu "B.Cu-/NRST-3" (solid, remove dead copper, pour order 30398): 110.04,16.72 110.022,16.741 110.005,16.767 109.987,16.799 109.97,16.836 109.952,16.878 109.759,16.71 109.931,16.509 109.953,16.541 109.974,16.568 109.996,16.59 110.018,16.607 110.04,16.62
Periph_3V3 on B.Cu "B.Cu-Periph_3V3-6" (solid, remove dead copper, pour order 30388): 109.47,9.89 109.492,9.886 109.514,9.879 109.535,9.869 109.557,9.856 109.579,9.84 109.751,10.04 109.579,10.24 109.557,10.224 109.535,10.211 109.514,10.201 109.492,10.194 109.47,10.19
SBUS_INV on B.Cu "B.Cu-/SBUS_INV-2" (solid, remove dead copper, pour order 30372): 107.845,20.88 107.833,20.893 107.82,20.91 107.808,20.931 107.796,20.955 107.784,20.982 107.36,20.83 107.784,20.678 107.796,20.705 107.808,20.729 107.82,20.75 107.833,20.767 107.845,20.78
Net-(C17-Pad1) on B.Cu "B.Cu-Net-(C17-Pad1)-1" (solid, remove dead copper, pour order 30376): 90.75,15.53 90.758,15.561 90.767,15.589 90.775,15.614 90.783,15.636 90.792,15.656 90.58,15.811 90.392,15.631 90.404,15.616 90.415,15.599 90.427,15.579 90.438,15.556 90.45,15.53
EX_SPI3_SCK on B.Cu "B.Cu-/EX_SPI3_SCK-1" (solid, remove dead copper, pour order 30278): 117.245,4.25 117.278,4.225 117.311,4.191 117.343,4.15 117.376,4.101 117.409,4.044 118.141,4.3 117.409,4.556 117.376,4.499 117.343,4.45 117.311,4.409 117.278,4.375 117.245,4.35
EX_SPI3_MOSI on B.Cu "B.Cu-/EX_SPI3_MOSI-1" (solid, remove dead copper, pour order 30526): 106.718,18.049 106.691,18.028 106.668,18.02 106.644,18.018 106.617,18.016 106.582,18.005 106.629,17.889 106.745,17.842 106.756,17.877 106.758,17.904 106.76,17.928 106.768,17.951 106.789,17.978
USART1_TX on B.Cu "B.Cu-/USART1_TX-1" (solid, remove dead copper, pour order 30552): 100.349,8.152 100.328,8.179 100.32,8.202 100.318,8.226 100.316,8.253 100.305,8.288 100.189,8.241 100.142,8.125 100.177,8.114 100.204,8.112 100.228,8.11 100.251,8.102 100.278,8.081
AUX2_PC1 on B.Cu "B.Cu-/AUX2_PC1-1" (solid, remove dead copper, pour order 30458): 107.86,17.285 107.864,17.319 107.875,17.342 107.891,17.359 107.908,17.38 107.925,17.412 107.81,17.461 107.695,17.412 107.712,17.38 107.729,17.359 107.745,17.342 107.756,17.319 107.76,17.285
EX_I2C4_SDA on B.Cu "B.Cu-/EX_I2C4_SDA-1" (solid, remove dead copper, pour order 30544): 101.572,19.771 101.55,19.798 101.542,19.822 101.541,19.845 101.538,19.872 101.528,19.907 101.412,19.86 101.365,19.744 101.399,19.733 101.427,19.731 101.45,19.729 101.474,19.721 101.501,19.7
UART5_TX on B.Cu "B.Cu-/UART5_TX-1" (solid, remove dead copper, pour order 30540): 116.472,25.231 116.499,25.252 116.522,25.26 116.546,25.262 116.573,25.264 116.608,25.275 116.561,25.391 116.445,25.438 116.434,25.403 116.432,25.376 116.43,25.352 116.422,25.329 116.401,25.302
Net-(U4-VCC) on B.Cu "B.Cu-Net-(U4-VCC)-3" (solid, remove dead copper, pour order 30346): 92.71,21.975 92.707,21.914 92.701,21.871 92.694,21.834 92.688,21.791 92.685,21.73 92.86,21.729 93.035,21.73 93.032,21.791 93.026,21.834 93.019,21.871 93.013,21.914 93.01,21.975
Periph_3V3 on B.Cu "B.Cu-Periph_3V3-5" (solid, remove dead copper, pour order 30400): 103.345,4.392 103.315,4.427 103.301,4.457 103.294,4.487 103.287,4.521 103.272,4.567 103.109,4.501 103.043,4.338 103.086,4.322 103.118,4.311 103.144,4.299 103.17,4.281 103.204,4.25
EX_I2C4_SCL on B.Cu "B.Cu-/EX_I2C4_SCL-2" (solid, remove dead copper, pour order 30374): 116.156,7.205 116.213,7.238 116.271,7.262 116.328,7.277 116.385,7.283 116.443,7.28 116.361,7.481 116.13,7.533 116.121,7.466 116.112,7.407 116.103,7.355 116.094,7.312 116.085,7.276
SDMMC1_CMD on B.Cu "B.Cu-/SDMMC1_CMD-2" (solid, remove dead copper, pour order 30442): 103.85,11.895 103.846,11.861 103.835,11.838 103.819,11.821 103.802,11.8 103.785,11.768 103.9,11.719 104.015,11.768 103.998,11.8 103.981,11.821 103.965,11.838 103.954,11.861 103.95,11.895
SDMMC1_CMD on B.Cu "B.Cu-/SDMMC1_CMD-1" (solid, remove dead copper, pour order 30560): 105.383,4.713 105.355,4.692 105.33,4.685 105.306,4.686 105.278,4.685 105.242,4.675 105.289,4.559 105.405,4.512 105.416,4.545 105.42,4.571 105.423,4.593 105.432,4.616 105.453,4.642
AUX3_PA4 on B.Cu "B.Cu-/AUX3_PA4-1" (solid, remove dead copper, pour order 30460): 107.48,17.655 107.484,17.689 107.495,17.712 107.511,17.729 107.528,17.75 107.545,17.782 107.43,17.831 107.315,17.782 107.332,17.75 107.349,17.729 107.365,17.712 107.376,17.689 107.38,17.655
VCC_24V on B.Cu "B.Cu-VCC_24V-1" (solid, remove dead copper, pour order 30266): 95.96,21.45 94.18,21.45 94.18,21.97 95.962,21.97 95.96,22.48 95.06,22.48 95.06,23.28 95.96,23.28 95.96,23.61 97.44,23.6 97.44,19.65 95.96,19.65
Net-(U11B-BOOT0) on B.Cu "B.Cu-Net-(U11B-BOOT0)-1" (solid, remove dead copper, pour order 30430): 110.985,12.09 111.019,12.086 111.042,12.075 111.059,12.059 111.08,12.042 111.112,12.025 111.161,12.14 111.112,12.255 111.08,12.238 111.059,12.221 111.042,12.205 111.019,12.194 110.985,12.19
System_4V5 on B.Cu "B.Cu-System_4V5" (solid, remove dead copper, pour order 30267): 95.98,5.28 97.77,5.28 97.77,3.5 95.98,3.5
UART8_TX on B.Cu "B.Cu-/UART8_TX-1" (solid, remove dead copper, pour order 30496): 106.051,15.148 106.072,15.121 106.08,15.098 106.082,15.074 106.084,15.047 106.095,15.012 106.211,15.059 106.258,15.175 106.223,15.186 106.196,15.188 106.172,15.19 106.149,15.198 106.122,15.219
UART4_RX on B.Cu "B.Cu-/UART4_RX-1" (solid, remove dead copper, pour order 30444): 106.395,7.82 106.429,7.816 106.452,7.805 106.469,7.789 106.49,7.772 106.522,7.755 106.571,7.87 106.522,7.985 106.49,7.968 106.469,7.951 106.452,7.935 106.429,7.924 106.395,7.92
Periph_3V3 on B.Cu "B.Cu-Periph_3V3-4" (solid, remove dead copper, pour order 30404): 104.03,2.425 104.027,2.381 104.021,2.351 104.014,2.324 104.008,2.294 104.005,2.25 104.13,2.249 104.255,2.25 104.252,2.294 104.246,2.324 104.239,2.351 104.233,2.381 104.23,2.425
BMI088_0_MOSI on B.Cu "B.Cu-/BMI088_0_MOSI-1" (solid, remove dead copper, pour order 30500): 112.401,17.138 112.422,17.111 112.43,17.088 112.432,17.064 112.434,17.037 112.445,17.002 112.561,17.049 112.608,17.165 112.573,17.176 112.546,17.178 112.522,17.18 112.499,17.188 112.472,17.209
BMI088_0_MOSI on B.Cu "B.Cu-/BMI088_0_MOSI" (solid, remove dead copper, pour order 30450): 112.09,20.695 112.094,20.729 112.105,20.752 112.121,20.769 112.138,20.79 112.155,20.822 112.04,20.871 111.925,20.822 111.942,20.79 111.959,20.769 111.975,20.752 111.986,20.729 111.99,20.695
USART2_TX on B.Cu "B.Cu-/USART2_TX-1" (solid, remove dead copper, pour order 30472): 104.785,14.31 104.751,14.314 104.728,14.325 104.711,14.341 104.69,14.358 104.658,14.375 104.609,14.26 104.658,14.145 104.69,14.162 104.711,14.179 104.728,14.195 104.751,14.206 104.785,14.21
Net-(U4-VCC) on B.Cu "B.Cu-Net-(U4-VCC)-2" (solid, remove dead copper, pour order 30364): 92.35,22.95 92.322,22.952 92.293,22.958 92.265,22.966 92.237,22.978 92.208,22.992 92.039,22.8 92.208,22.608 92.237,22.622 92.265,22.634 92.293,22.642 92.322,22.648 92.35,22.65
TIM3_CH4 on B.Cu "B.Cu-/TIM3_CH4-1" (solid, remove dead copper, pour order 30516): 116.658,25.039 116.631,25.018 116.608,25.01 116.584,25.008 116.557,25.006 116.522,24.995 116.569,24.879 116.685,24.832 116.696,24.867 116.698,24.894 116.7,24.918 116.708,24.941 116.729,24.968
FRAM_SPI2_{\C\S\}\ on B.Cu "B.Cu-/FRAM_SPI2_~{CS}" (solid, remove dead copper, pour order 30492): 104.27,14.535 104.274,14.569 104.285,14.592 104.301,14.609 104.318,14.63 104.335,14.662 104.22,14.711 104.105,14.662 104.122,14.63 104.139,14.609 104.155,14.592 104.166,14.569 104.17,14.535
FRAM_SPI2_SCK on B.Cu "B.Cu-/FRAM_SPI2_SCK" (solid, remove dead copper, pour order 30538): 103.312,15.321 103.339,15.342 103.362,15.35 103.386,15.352 103.413,15.354 103.448,15.365 103.401,15.481 103.285,15.528 103.274,15.493 103.272,15.466 103.27,15.442 103.262,15.419 103.241,15.392